# Altium PCB WallLightRemote_V1.0.PcbDoc (part 3 of 3) (continued)
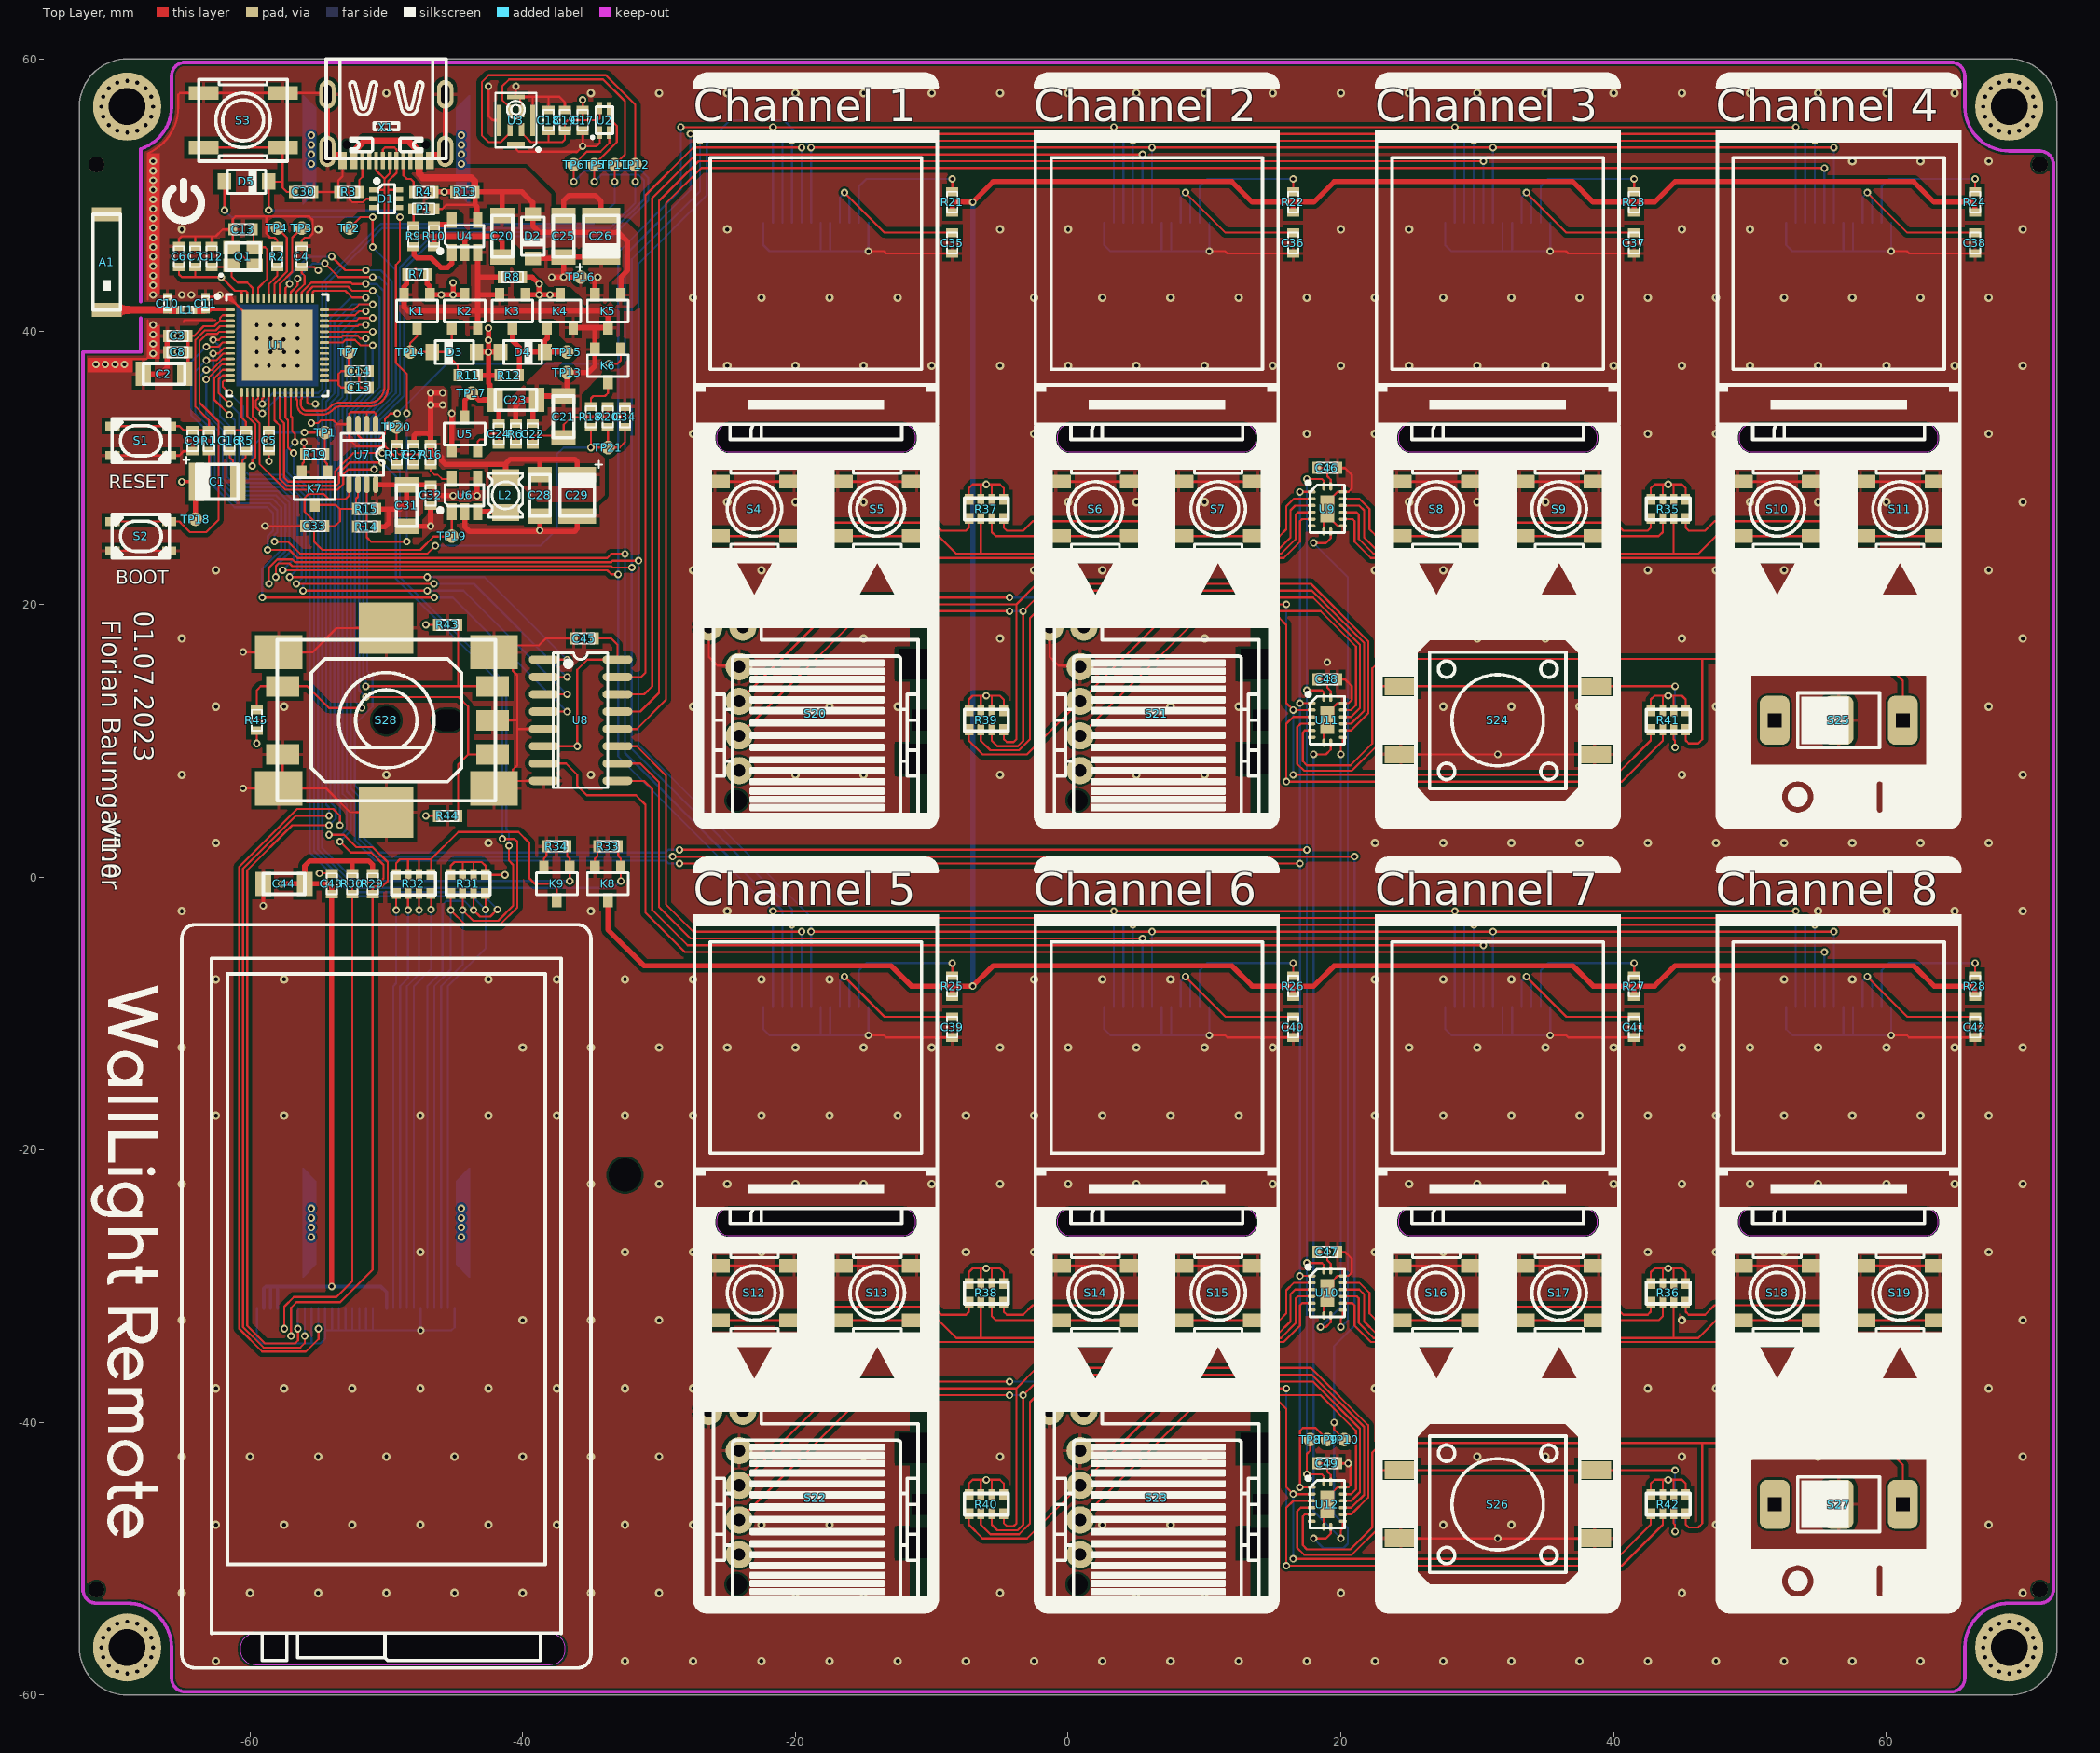
[diagram p0: Top Layer view]
## Nets (pads, with @x,y where several pads share a name; then routed paths per layer and width w, separated by ;. In a path a pad name is that pad's centre, name@x,y a point inside that pad or via, vN(x,y) a via of type N, cw(c..) or ccw(c..) an arc to the next point about the centre after c; other vN are vias at no path point) (continued)
NetU10_9: U10.9 U11.10 | length 45.3
  Top Layer w0.152: v2(18.5,-33) 18.9,-33 19.25,-32.65 U10.9@19.25,-32.15 ; v2(20,9) 20,9.6 20.15,9.75 U11.10@20.15,10.25
  Bottom Layer w0.152: v2(18.5,-33) 20,-31.5 v2(20,9)
NetU11_9: U11.9 U12.10 | length 61.5
  Top Layer w0.152: v2(18,9) 18.9,9 19.25,9.35 U11.9@19.25,9.85 ; v2(20,-48.5) 20,-47.9 20.15,-47.75 U12.10@20.15,-47.25
  Bottom Layer w0.152: v2(18,9) 18,-46.5 v2(20,-48.5)
PWR_OFF: K7.G R19.2 TP1.1 U1.16 | length 15.9
  Top Layer w0.152: U1.16@-60.2,35.55 -60.2,33.8 -59.6,33.2 -59.6,30.8 -59.825,30.575 v2(-59.825,30.15) ; v2(-56,32.6) TP1.1@-54.5,32.6 -54.5,31.012 R19.2@-54.488,31 R19.2@-54.5,30.988 ; R19.2@-54.5,30.938 -54.5,30.45 -54.339,30.289 -54.339,29.739 K7.G@-54.3,29.7
  Bottom Layer w0.152: v2(-59.825,30.15) -59.825,31.575 -58.8,32.6 v2(-56,32.6)
PWR_SW: D5.A TP2.1 U1.17 | length 50.9
  Top Layer w0.152: v2(-61.865,48.9) D5.A@-61.865,50.995 ; U1.17@-59.8,35.55 -59.8,33.8 -59.3,33.3 -59.3,30.3 -57.4,28.4 -53.575,28.4 -53.165,28.81 -53.165,29.535 -52.8,29.9 v2(-50.9,29.9) ; TP2.1@-52.7,47.6 -51.9,48.4 v2(-51,48.4) -51,47.6 v2(-51,46.2)
  Bottom Layer w0.152: v2(-61.865,48.9) -61.365,48.4 v2(-51,48.4) ; v2(-51,46.2) -49.3,44.5 -49.3,35.5 -51.1,33.7 -51.1,30.6 -50.9,30.4 v2(-50.9,29.9)
TCH_I\N\T\: P10.29 R31.4 U1.24 | length 81
  Top Layer w0.152: U1.24@-57,35.55 -57,33.8 -56.9,33.7 -56.9,32.7 -56.7,32.5 v2(-56.7,31.9) ; v2(-42.725,-2.399) R31.4@-42.725,-1.2
  Bottom Layer w0.152: v2(-56.7,31.9) -57.3,31.3 -57.3,29.7 -55.6,28 -55.6,1.8 -52.4,-1.4 -43.724,-1.4 v2(-42.725,-2.399) -42.725,-5.24 -45.485,-8 -45.485,-31.6
TCH_R\S\T\: P10.26 R31.3 U1.23 | length 85.8
  Top Layer w0.152: U1.23@-57.4,35.55 -57.4,33.7 -57.2,33.5 -57.2,31.5 v2(-56.8,31.1) ; R31.3@-43.6,-1.2 v2(-43.6,-2.427) -43.127,-2.9 -42.38,-2.9 v2(-41.85,-2.37)
  Bottom Layer w0.152: v2(-56.8,31.1) -56.8,29.6 -55.3,28.1 -55.3,1.924 -52.276,-1.1 -43.12,-1.1 v2(-41.85,-2.37) ; -46.985,-31.6 -46.985,-8 -45.875,-6.89 -45.875,-2.025 -45.6,-1.75 -44.277,-1.75 v2(-43.6,-2.427)
TCH_SCL: P10.27 R31.1 TP5.1 U1.21 U2.3 | length 136.7
  Top Layer w0.152: U1.21@-58.2,35.55 -58.2,33.5 -57.8,33.1 -57.8,29.2 -57.3,28.7 -53.675,28.7 -53.465,28.91 -53.465,29.635 -52.7,30.4 v2(-50.3,30.4) ; R31.1@-45.275,-1.2 v2(-45.275,-2.433) -44.208,-3.5 -41.676,-3.5 -40.4,-2.224 -40.4,2.6 -40.6,2.8 v2(-41.5,2.8) ; TP5.1@-35.007,51.993 TP5.1@-34.75,52.25 ; v2(-34.75,51) TP5.1@-34.75,52.25 ; U2.3@-33.65,56.35 -33.65,55.55 -33.5,55.4 -33.4,55.4 -33.1,55.1 -33.1,53.9 TP5.1@-34.75,52.25
  Bottom Layer w0.152: -46.485,-31.6 -46.485,-8 -45.275,-6.79 v2(-45.275,-2.433) ; v2(-41.5,2.8) -41.5,14.076 -49.3,21.876 -49.3,29.4 v2(-50.3,30.4) -50.8,30.9 -50.8,33.6 -49,35.4 -49,44.7 -46.4,47.3 -33.5,47.3 -31.1,49.7 -31.1,51.1 -31.5,51.5 -34.25,51.5 v2(-34.75,51)
TCH_SDA: P10.28 R31.2 TP6.1 U1.22 U2.2 | length 134.9
  Top Layer w0.152: U1.22@-57.8,35.55 -57.8,33.6 -57.5,33.3 -57.5,29.3 -57.2,29 -53.839,29 -53.75,29.089 -53.75,29.75 -52.4,31.1 v2(-50.3,31.1) ; R31.2@-44.4,-1.2 v2(-44.4,-2.431) -43.631,-3.2 -41.8,-3.2 -40.7,-2.1 -40.7,0.9 -41,1.2 v2(-41,2.3) ; v2(-36.25,51) TP6.1@-36.25,52.25 -35.3,53.2 -34.3,53.2 -33.65,53.85 U2.2@-33.65,54.6
  Bottom Layer w0.152: -45.985,-31.6 -45.985,-8 -44.4,-6.415 v2(-44.4,-2.431) ; v2(-41,2.3) -41,3.3 -41.2,3.5 -41.2,14.2 -49,22 -49,29.8 v2(-50.3,31.1) -50.3,31.5 -50.5,31.7 -50.5,33.5 -48.7,35.3 -48.7,44.6 -46.3,47 -33.4,47 -30.8,49.6 -30.8,51.3 -31.3,51.8 -35.45,51.8 v2(-36.25,51)
USB_D_N: D1.6 U1.25 X1.A7 X1.B7 | length 29.4
  Top Layer w0.152: U1.25@-56.6,35.55 -56.6,35.11 ccw(c-56.515,35.11) -56.575,35.05 cw(c-56.685,34.94) -56.529,34.94 -56.529,34.662 ccw(c-55.738,34.662) -56.298,34.102 ccw(c-55.859,34.541) -55.859,33.921 -54.7,33.921 ccw(c-54.7,34.936) -53.982,34.218 -53.9,34.3 cw(c-53.367,33.767) -53.367,34.521 -51.224,34.521 ccw(c-51.224,35.824) -50.302,34.902 ccw(c-51.37,35.97) -49.86,35.97 -49.86,50.4 ; X1.A7@-50.25,52.55 -50.25,53.35 -50.1,53.5 -49.4,53.5 -49.25,53.35 X1.B7@-49.25,52.55 -49.25,51.65 -49.86,51.04 -49.86,50.4 ; D1.6@-49.05,50.4 -49.86,50.4
USB_D_P: D1.1 U1.26 X1.A6 X1.B6 | length 27.3
  Top Layer w0.152: U1.26@-56.2,35.55 -56.2,35.11 cw(c-56.285,35.11) -56.225,35.05 ccw(c-56.115,34.94) -56.271,34.94 -56.271,34.712 ccw(c-55.688,34.712) -56.1,34.3 ccw(c-55.859,34.541) -55.859,34.2 -54.7,34.2 ccw(c-54.7,34.936) -54.18,34.416 -54.098,34.498 cw(c-53.367,33.767) -53.367,34.8 -51.224,34.8 ccw(c-51.224,35.824) -50.5,35.1 ccw(c-51.37,35.97) -50.14,35.97 -50.14,50.375 ; D1.1@-50.95,50.4 -50.165,50.4 -50.14,50.375 ; X1.B6@-50.75,52.55 -50.75,51.823 -50.14,51.213 ; X1.A6@-49.75,52.55 -49.76,52.54 -49.76,51.592 -50.14,51.213 ; -50.14,50.375 -50.14,51.213
VBAT: C21.2 C22.2 C23.2 K1.S K2.S K3.S K4.S K5.D K6.S R6.2 R7.2 R8.2 TP13.1 U4.3 | length 44
  Top Layer w0.381: R7.2@-48.512,44.2 -48.512,44 R7.2@-48.5,43.988 ; R7.2@-48.5,44.2 R7.2@-48.5,43.988 ; K2.S@-43.3,40.3 -43.3,41.5 ; U4.3@-43.3,45.8 -43.3,44 ; K3.S@-41.7,42.7 -43.3,42.7 ; R8.2@-41.512,44 -43.3,44 ; R6.2@-40.5,33.262 -40.5,34.55 -40.05,35 C23.2@-38.976,35 ; C22.2@-39.25,33.262 -39.25,34.726 C23.2@-38.976,35 ; K4.S@-36.3,40.3 -34.7,40.3 ; K5.D@-33.75,40.3 -34.7,40.3 ; K5.D@-33.75,40.3 -33.75,41.15 -34.1,41.5 -43.3,41.5 ; R7.2@-48.5,43.988 -48.5,43.5 -48.7,43.3 K1.S@-48.7,42.7 -48.7,41.8 -48.4,41.5 -43.3,41.5 ; -43.3,41.5 -43.3,42.7 ; -43.3,42.7 -43.3,44 ; C23.2@-38.976,35 -38.702,35.274 C21.2@-37,35.274 -36.75,35.524 TP13.1@-36.75,37 -35.2,37 -34.7,37.5 K6.S@-34.7,38.7 -34.7,40.3
VBUS: C20.2 D2.A K5.G P1.A R13.2 U4.4 X1.A4B9 X1.B4A9 | length 37.6
  Top Layer w0.152: P1.A@-46.5,49 -45.9,49 -45.6,49.3 -43.5,49.3
  Top Layer w0.381: U4.4@-43.3,48.2 -43.348,48.248 -43.348,49.148 -43.5,49.3 -43.5,50.238 R13.2@-43.488,50.25 -41.5,50.25 ; C20.2@-41.5,48.524 -41.5,50.25 ; K5.G@-32.8,42.7 -32.8,44 -32.3,44.5 -32.3,46.6 -33,47.3 -38.8,47.3 -39.25,47.75 D2.A@-39.25,48.62 -39.268,48.638 -39.268,49.468 -40.05,50.25 -41.5,50.25
  Top Layer w0.508: X1.B4A9@-52.4,52.55 -52.4,53.2 -51.6,54 -48.4,54 -47.6,53.2 X1.A4B9@-47.6,52.55 -47.6,51.598 -47.302,51.3 -43.8,51.3 -43.531,51.031 -43.531,50.269 R13.2@-43.5,50.238
VIN: C25.2 C26.P C31.2 C32.2 D2.K K5.S R14.2 R15.2 TP16.1 U6.4 U7.8 | length 50
  Top Layer w0.381: U7.8@-50.775,28.8 -50.775,28.783 -50.766,28.774 C31.2@-48.5,28.774 ; R14.2@-50.688,25.7 -50.1,25.7 -49.8,26 -49.8,27 ; R15.2@-50.688,27 -49.8,27 ; U6.4@-43.3,29.2 -43.348,29.152 v2(-43.348,27.975) v2(-44.225,27.975) v2(-45.102,27.975) -46.282,27.975 -46.506,28.198 -46.506,28.635 -46.623,28.635 C32.2@-46.75,28.762 -46.762,28.774 C31.2@-48.5,28.774 ; D2.K@-39.032,45.162 D2.K@-39.25,45.38 -37.096,45.38 C25.2@-37,45.476 ; v2(-37.877,44) v2(-37,44) ; K5.S@-34.7,42.7 -34.7,43.7 -35,44 TP16.1@-35.75,44 v2(-37,44) ; C26.P@-34.25,45.476 C25.2@-37,45.476 ; -49.8,27 -49.2,27 -49,27 -48.5,27.5 C31.2@-48.5,28.774 ; v2(-37,44) C25.2@-37,45.476
  Mid-Layer 1 w0.381: v2(-45.102,27.975) v2(-44.225,27.975) v2(-43.348,27.975) -39.625,27.975 -36.5,31.1 -36.5,43.5 v2(-37,44) v2(-37.877,44)
  other v2: -34.5,44
pads on no net: A1.NC D1.3 D1.4 D1.5 P10.19 P10.NC S20.1 S20.NC S21.1 S21.NC S22.1 S22.NC S23.1 S23.NC S25.1 S27.1 S28.NC U1.28 U1.30 U1.31 U1.32 U1.33 U1.34 U1.35 U1.52 U9.7 U10.7 U11.7 U12.7 X1.A8 X1.B8 X1.NC X2.NC
copper on no net:
  other v1: -69,-58.4 69,-58.4 -69.727,-58.255 -68.273,-58.255 68.273,-58.255 69.727,-58.255 -70.344,-57.843 -67.656,-57.843 67.656,-57.843 70.344,-57.843 -70.755,-57.227 -67.245,-57.227 67.245,-57.227 70.755,-57.227 -70.9,-56.5 -67.1,-56.5 67.1,-56.5 70.9,-56.5 -70.755,-55.773 -67.245,-55.773 67.245,-55.773 70.755,-55.773 -70.343,-55.156 -67.656,-55.156 67.656,-55.156 70.343,-55.156 -69.727,-54.745 -68.273,-54.745 68.273,-54.745 69.727,-54.745 -69,-54.6 69,-54.6 -69,54.6 69,54.6 -69.727,54.745 -68.273,54.745 68.273,54.745 69.727,54.745 -70.343,55.156 -67.656,55.156 67.656,55.156 70.343,55.156 -70.755,55.773 -67.245,55.773 67.245,55.773 70.755,55.773 -70.9,56.5 -67.1,56.5 67.1,56.5 70.9,56.5 -70.755,57.227 -67.245,57.227 67.245,57.227 70.755,57.227 -70.344,57.843 -67.656,57.843 67.656,57.843 70.344,57.843 -69.727,58.255 -68.273,58.255 68.273,58.255 69.727,58.255 -69,58.4 69,58.4

## Polygon pours and split planes (outlines as drawn)
GND on Top Layer "NONET_L-01_P-001" (solid, remove dead copper, pour order 16): 69,60 cw(c69,56.5) 72.5,56.5 72.5,-56.5 cw(c69,-56.5) 69,-60 -69,-60 cw(c-69,-56.5) -72.5,-56.5 -72.5,56.5 cw(c-69,56.5) -69,60
VBAT on Top Layer "NONET_L-01_P-001" (solid, remove dead copper, pour order 7): -49,44.9 -49.1,44.8 -49.1,41.5 -48.5,40.9 -44.4,40.9 -44.2,40.7 -44.2,39.8 -44,39.6 -42.8,39.6 -42.4,40 -42.4,40.7 -42.2,40.9 -37.6,40.9 -37.3,40.6 -37.3,39.7 -36.8,39.2 -36.4,39.2 -36,38.8 -36,38.1 -36.3,37.8 -38.2,37.8 -41.1,34.9 -41.1,32.8 -41,32.7 -38.4,32.7 -37.1,34 -35.9,34 -35.7,34.2 -35.7,35.4 -34.2,36.9 -34.2,37.8 -33.5,38.5 -33.5,39.1 -32.9,39.7 -32.9,41.511 -33.589,42.2 -40.3,42.2 -40.7,42.6 -40.7,44.6 -41,44.9 -42.4,44.9 -42.5,45 -42.5,46.6 -42.7,46.8 -43.6,46.8 -43.8,46.6 -43.8,42.2 -44,42 -47.2,42 -47.7,42.5 -47.7,44.6 -48,44.9
VBUS on Top Layer "NONET_L-01_P-001" (solid, remove dead copper, pour order 6): -33.5,42 -33.3,41.8 -31.9,41.8 -31.6,42.1 -31.6,47.3 -32.3,48 -37.8,48 -37.9,48.1 -37.9,50.1 -39.8,52 -48.1,52 -48.2,51.9 -48.2,51.6 -47.3,50.7 -47.3,48.6 -47.1,48.4 -46,48.4 -45.8,48.6 -45.8,48.8 -45.6,49 -44.7,49 -44.3,48.6 -44.3,47.7 -44,47.4 -41.5,47.4 -40.2,46.1 -32.9,46.1 -32.8,46 -32.8,44.5 -33.5,43.8
VIN on Top Layer "NONET_L-01_P-001" (solid, remove dead copper, pour order 4): -32.8,46 -32.8,44.5 -33.7,43.6 -33.7,42.3 -34.2,41.8 -35.3,41.8 -35.6,42.1 -35.6,42.4 -36.5,43.3 -38.1,43.3 -39.4,44.6 -39.9,44.6 -40.2,44.9 -40.2,46
VIN on Top Layer "NONET_L-01_P-001" (solid, remove dead copper, pour order 3): -51,25.1 -49.7,25.1 -49.4,25.4 -49.4,26.4 -47.6,26.4 -47.3,26.7 -47.3,27.5 -47.2,27.6 -46.3,27.6 -46.2,27.5 -43,27.5 -42.7,27.8 -42.7,29.7 -42.9,29.9 -44.698,29.9 -44.7,29.898 -44.7,28.6 -44.8,28.5 -45.5,28.5 -45.7,28.7 -45.7,28.975 -46.525,29.8 -50.8,29.8 -51.1,29.5 -51.1,25.2
3V3 on Top Layer "NONET_L-01_P-001" (solid, remove dead copper, pour order 2): -48.6,31.4 -48.6,35.3 -47.9,36 -45.8,36 -45.5,35.7 -45.5,31 -45.2,30.7 -42.8,30.7 -42.3,31.2 -34.5,31.2 -34,30.7 -34,28 -34.5,27.5 -38.9,27.5 -40,28.6 -42.6,28.6 -42.7,28.7 -42.7,29.7 -42.9,29.9 -45.9,29.9 -47.1,31.1 -48.3,31.1
GND on Top Layer "NONET_L-01_P-001" (solid, pour order 0): -61.375,42.275 -61.375,43.5 -67.5,43.5 -67.5,42.275 -66.55,42.275
GND on Top Layer "NONET_L-01_P-001" (solid, remove dead copper, pour order 1): -61.75,40.915 -61.75,39.69 -67.5,39.69 -67.5,40.915 -66.55,40.915
no net on Top Overlay "NONET_L-01_P-001" (solid): -27.5,-53 ccw(c-26.5,-53) -26.5,-54 -10.5,-54 ccw(c-10.5,-53) -9.5,-53 -9.5,-24.4 ccw(c-9.6,-24.4) -9.6,-24.3 -27.4,-24.3 ccw(c-27.4,-24.4) -27.5,-24.4
no net on Top Overlay "NONET_L-01_P-001" (solid): -27.5,-2.75 -27.5,-3.5 -9.5,-3.5 -9.5,-2.75
no net on Top Overlay "NONET_L-01_P-001" (solid): -27.48,0.3 cw(c-26.5,0.5) -26.5,1.5 -10.5,1.5 cw(c-10.5,0.5) -9.52,0.3
no net on Top Overlay "NONET_L-01_P-001" (solid): -2.48,0.3 cw(c-1.5,0.5) -1.5,1.5 14.5,1.5 cw(c14.5,0.5) 15.48,0.3
no net on Top Overlay "NONET_L-01_P-001" (solid): -2.5,-2.75 -2.5,-3.5 15.5,-3.5 15.5,-2.75
no net on Top Overlay "NONET_L-01_P-001" (solid): -2.5,-53 ccw(c-1.5,-53) -1.5,-54 14.5,-54 ccw(c14.5,-53) 15.5,-53 15.5,-24.4 ccw(c15.4,-24.4) 15.4,-24.3 -2.4,-24.3 ccw(c-2.4,-24.4) -2.5,-24.4
no net on Top Overlay "NONET_L-01_P-001" (solid): 22.52,0.3 cw(c23.5,0.5) 23.5,1.5 39.5,1.5 cw(c39.5,0.5) 40.48,0.3
no net on Top Overlay "NONET_L-01_P-001" (solid): 22.5,-2.75 22.5,-3.5 40.5,-3.5 40.5,-2.75
no net on Top Overlay "NONET_L-01_P-001" (solid): 47.52,0.3 cw(c48.5,0.5) 48.5,1.5 64.5,1.5 cw(c64.5,0.5) 65.48,0.3
no net on Top Overlay "NONET_L-01_P-001" (solid): 47.5,-2.75 47.5,-3.5 65.5,-3.5 65.5,-2.75
no net on Top Overlay "NONET_L-01_P-001" (solid): 22.5,-53 ccw(c23.5,-53) 23.5,-54 39.5,-54 ccw(c39.5,-53) 40.5,-53 40.5,-24.4 ccw(c40.4,-24.4) 40.4,-24.3 22.6,-24.3 ccw(c22.6,-24.4) 22.5,-24.4
no net on Top Overlay "NONET_L-01_P-001" (solid): 47.5,-53 ccw(c48.5,-53) 48.5,-54 64.5,-54 ccw(c64.5,-53) 65.5,-53 65.5,-24.4 ccw(c65.4,-24.4) 65.4,-24.3 47.6,-24.3 ccw(c47.6,-24.4) 47.5,-24.4
no net on Top Overlay "NONET_L-01_P-001" (solid): 47.5,4.5 ccw(c48.5,4.5) 48.5,3.5 64.5,3.5 ccw(c64.5,4.5) 65.5,4.5 65.5,33.1 ccw(c65.4,33.1) 65.4,33.2 47.6,33.2 ccw(c47.6,33.1) 47.5,33.1
no net on Top Overlay "NONET_L-01_P-001" (solid): 22.5,4.5 ccw(c23.5,4.5) 23.5,3.5 39.5,3.5 ccw(c39.5,4.5) 40.5,4.5 40.5,33.1 ccw(c40.4,33.1) 40.4,33.2 22.6,33.2 ccw(c22.6,33.1) 22.5,33.1
no net on Top Overlay "NONET_L-01_P-001" (solid): 47.5,54.75 47.5,54 65.5,54 65.5,54.75
no net on Top Overlay "NONET_L-01_P-001" (solid): 47.52,57.8 cw(c48.5,58) 48.5,59 64.5,59 cw(c64.5,58) 65.48,57.8
no net on Top Overlay "NONET_L-01_P-001" (solid): 22.5,54.75 22.5,54 40.5,54 40.5,54.75
no net on Top Overlay "NONET_L-01_P-001" (solid): 22.52,57.8 cw(c23.5,58) 23.5,59 39.5,59 cw(c39.5,58) 40.48,57.8
no net on Top Overlay "NONET_L-01_P-001" (solid): -2.5,4.5 ccw(c-1.5,4.5) -1.5,3.5 14.5,3.5 ccw(c14.5,4.5) 15.5,4.5 15.5,33.1 ccw(c15.4,33.1) 15.4,33.2 -2.4,33.2 ccw(c-2.4,33.1) -2.5,33.1
no net on Top Overlay "NONET_L-01_P-001" (solid): -2.5,54.75 -2.5,54 15.5,54 15.5,54.75
no net on Top Overlay "NONET_L-01_P-001" (solid): -2.48,57.8 cw(c-1.5,58) -1.5,59 14.5,59 cw(c14.5,58) 15.48,57.8
no net on Top Overlay "NONET_L-01_P-001" (solid): -27.48,57.8 cw(c-26.5,58) -26.5,59 -10.5,59 cw(c-10.5,58) -9.52,57.8
no net on Top Overlay "NONET_L-01_P-001" (solid): -27.5,54.75 -27.5,54 -9.5,54 -9.5,54.75
no net on Top Overlay "NONET_L-01_P-001" (solid): -27.5,4.5 ccw(c-26.5,4.5) -26.5,3.5 -10.5,3.5 ccw(c-10.5,4.5) -9.5,4.5 -9.5,33.1 ccw(c-9.6,33.1) -9.6,33.2 -27.4,33.2 ccw(c-27.4,33.1) -27.5,33.1
3V3 on Mid-Layer 1 "NONET_L-01_P-001" (solid, remove dead copper, pour order 24): -72.5,56.5 cw(c-69,56.5) -69,60 69,60 cw(c69,56.5) 72.5,56.5 72.5,-56.5 cw(c69,-56.5) 69,-60 -69,-60 cw(c-69,-56.5) -72.5,-56.5
no net on Mid-Layer 1 "NONET_L-01_P-001" (solid, remove dead copper, pour order 23): -38.75,44.5 -37,42.75 -37,32 -40.5,28.5 -45.25,28.5 -46,27.75 -46,26.5 -45.5,26 -39.5,26 -34,31.5 -34,44 -34.5,44.5
NetC23_1 on Mid-Layer 1 "NONET_L-01_P-001" (solid, remove dead copper, pour order 22): -40.5,38.25 -40.5,33.9 -42.65,31.75 -44.8,31.75 -44.8,33.7 -43.5,35 -43.5,38.25
NetC23_1 on Mid-Layer 1 "NONET_L-01_P-001" (solid, remove dead copper, pour order 21): -44,34 -43.25,33.25 -43.25,31.75 -46.5,31.75 -54.2,24.05 -54.2,-26.95 -54.75,-27.5 -56.5,-27.5 -57,-27 -57,25.25 -48.25,34
NetK3_G on Mid-Layer 1 "NONET_L-01_P-001" (solid, remove dead copper, pour order 20): -39.5,44.5 -40.1,43.9 -40.1,33.5 -42.35,31.25 -46.5,31.25 -53.8,23.95 -53.8,-18.7 -45,-27.5 -43.75,-27.5 -43.25,-27 -43.25,-24.5 -51,-16.75 -51,23.25 -45.25,29 -40.8,29 -37.5,32.3 -37.5,36.75 -37.5,42.9 -39.1,44.5
NetC23_1 on Mid-Layer 1 "NONET_L-01_P-001" (solid, remove dead copper, pour order 19): -49.8,55.5 -49.05,56.25 -41.25,56.25 -40.5,55.5 -40.5,38.25 -41,37.75 -43,37.75 -43.5,38.25 -43.5,43.7 -44.3,44.5 -46.3,44.5 -49.8,48
NetK1_G on Mid-Layer 1 "NONET_L-01_P-001" (solid, remove dead copper, pour order 18): -56.25,56.25 -57,55.5 -57,49.25 -49,41.25 -44.5,41.25 -43.9,41.85 -43.9,43.4 -44.5,44 -46.5,44 -50.2,47.7 -50.2,55.5 -50.95,56.25 -55.5,56.25
GND on Mid-Layer 2 "NONET_L-01_P-001" (solid, remove dead copper, pour order 15): 69,60 cw(c69,56.5) 72.5,56.5 72.5,-56.5 cw(c69,-56.5) 69,-60 -69,-60 cw(c-69,-56.5) -72.5,-56.5 -72.5,56.5 cw(c-69,56.5) -69,60
GND on Bottom Layer "NONET_L-01_P-001" (solid, remove dead copper, pour order 17): 69,60 cw(c69,56.5) 72.5,56.5 72.5,-56.5 cw(c69,-56.5) 69,-60 -69,-60 cw(c-69,-56.5) -72.5,-56.5 -72.5,56.5 cw(c-69,56.5) -69,60

## Keep-outs
Keep-Out Layer:
  lines w0.254: -68,41 -68,38.5 -72.25,38.5 -72.25,-52.25 ccw(c-71.25,-52.25) -71.25,-53.25 -69,-53.25 cw(c-69,-56.5) -65.75,-56.5 ; -68,42.2 -68,53.4 ; -67.996,53.409 ccw(c-69,56.5) -65.75,56.5 -65.75,58.75 cw(c-64.75,58.75) -64.75,59.75 64.75,59.75 cw(c64.75,58.75) 65.75,58.75 65.75,56.5 ccw(c69,56.5) 69,53.25 71.25,53.25 cw(c71.25,52.25) 72.25,52.25 72.25,-52.25 cw(c71.25,-52.25) 71.25,-53.25 69,-53.25 ccw(c69,-56.5) 65.75,-56.5 65.75,-58.75 cw(c64.75,-58.75) 64.75,-59.75 -64.75,-59.75 cw(c-64.75,-58.75) -65.75,-58.75 -65.75,-56.5

## Other copper
Top Layer:
  region net GND: -71.9,38 -71.9,37.011 -68.6,37.011 -68.6,38
  rectangle net GND: -67.575,42.7 -66.595,53.063
  rectangle net GND: -67.575,38 -66.6,40.5
  region net GND: -61.229,42.114 -61.122,42.212 -61.441,42.563 -61.548,42.466
  region net GND: -61.15,42.05 -61.085,42.163 -61.946,42.657 -62.011,42.544
  region net GND: -61.123,42.023 -61.009,42.088 -61.375,42.726 -61.489,42.66
Mid-Layer 1:
  pour cut-out: -65.5,56.403 cw(c-68.903,56.403) -66.497,53.997 -66.497,38.003 -67.5,37 -72.5,37 -72.5,56.729 cw(c-69.229,56.729) -69.229,60 -65.5,60
  pour cut-out: -66.5,43.5 -62,43.5 -61,42.5 -61,41 -62,40 -66.5,40
Mid-Layer 2:
  pour cut-out: -67.715,42.2 -67.715,41 -68.285,41 -68.285,42.2
Bottom Layer:
  rectangle net GND: -61,36 -55,42
  pour cut-out: -67.715,42.2 -67.715,41 -68.285,41 -68.285,42.2
  region net NetC23_1: -56.05,-29.35 -56.125,-29.35 -56.125,-21.35 -56.05,-21.35 -55.125,-22.275 -55.125,-28.425
  region net NetK3_G: -43.95,-29.35 -43.875,-29.35 -43.875,-21.35 -43.95,-21.35 -44.875,-22.275 -44.875,-28.425
  region net NetC23_1: -43.95,49.35 -43.875,49.35 -43.875,57.35 -43.95,57.35 -44.875,56.425 -44.875,50.275
  region net NetK1_G: -56.05,49.35 -56.125,49.35 -56.125,57.35 -56.05,57.35 -55.125,56.425 -55.125,50.275

## Silkscreen, mask and mechanical layers (free items; w line width, h text height)
Top Overlay:
  drawing of 73 lines, arcs and shapes, not listed
  text "Channel 1" at -27.5,54.644 h4
  text "Channel 2" at -2.5,54.644 h4
  text "Channel 3" at 22.5,54.643 h4
  text "Channel 4" at 47.5,54.644 h4
  text "RESET" at -70.333,28.5 h1
  text "BOOT" at -69.833,21.5 h1
  text "01.07.2023        /  Florian Baumgartner" at -71.33,19.5 h2.4 r270
  text "V1.0" at -71.33,4.2 h2.4 r270
  text "Channel 5" at -27.5,-2.856 h4
  text "Channel 6" at -2.5,-2.856 h4
  text "Channel 8" at 47.5,-2.856 h4
  text "Channel 7" at 22.5,-2.857 h4
Bottom Overlay:
  drawing of 16 lines, arcs and shapes, not listed
  text "Florian Baumgartner /  01.07.2023        V1.0" at 5,52.52 h2.4
Mechanical 1:
  the board outline again, w0.254
Mechanical 4:
  circle w0.254: c69,-56.5 r1.35
  circle w0.254: c-69,-56.5 r1.35
  circle w0.254: c69,56.5 r1.35
  circle w0.254: c-69,56.5 r1.35
Mechanical 15:
  lines w0.127: -148.58,-54.99 -143.5,-54.99 ; -148.58,-6.73 -143.5,-6.73 ; -148.58,41.53 -143.5,41.53 ; -143.5,-90.55 -29.2,-90.55 ; -143.5,-82.93 -29.2,-82.93 ; -120.64,-98.17 -120.64,-82.93 ; -75.555,-103.25 -75.555,-98.17 ; -75.555,84.71 -75.555,89.79 ; -67.3,-98.17 -67.3,-82.93 -67.3,-67.69 ; -67.3,-75.31 -29.2,-75.31 ; -2.53,-103.25 -2.53,-98.17 ; -2.53,84.71 -2.53,89.79 ; 6.36,-98.17 -29.2,-98.17 ; 70.495,-103.25 70.495,-98.17 ; 70.495,84.71 70.495,89.79 ; 128.52,-55.25 133.6,-55.25 ; 128.52,-6.25 133.6,-6.25 ; 128.52,41.75 133.6,41.75 ; -143.5,-98.17 128.52,-98.25 128.52,84.75 -143.5,84.71 -143.5,-98.17 ; -143.5,-98.17 -29.2,-98.17 ; -143.5,-98.17 -143.5,-67.69 -67.3,-67.69 ; -67.3,-67.69 -29.2,-67.69 -29.2,-98.17 ; -148.58,-103.25 133.52,-103.25 133.52,89.75 -148.58,89.79 -148.58,-103.25
  text "4" at -111.42,86.361 h1.78
  text "3" at -38.522,86.361 h1.78
  text "2" at 34.63,86.361 h1.78
  text "1" at 107.274,86.361 h1.78
  text "A" at 132.52,63.75 h1.78
  text "A" at -145.405,63.349 h1.78
  text "B" at 131.52,15.75 h1.78
  text "B" at -145.405,15.292 h1.78
  text "C" at -145.405,-33.222 h1.78
  text "C" at 131.52,-33.25 h1.78
  text "TITLE:" at -68.57,-70.23 h1.14
  text "ENGINEER:" at -30.47,-70.23 h1.14
  text "Florian Baumgartner" at -31.966,-74.073 h1.78
  text "PCB DESIGNER:" at -30.47,-77.723 h1.14
  text "WallLight Remote" at -69.191,-78.315 h4
  text "D" at -145.405,-81.228 h1.78
  text "D" at 131.52,-81.25 h1.78
  text "Florian Baumgartner" at -31.966,-81.693 h1.78
  text "REV:" at -121.91,-85.47 h1.14
  text "PART NO.:" at -68.57,-85.47 h1.14
  text "DATE:" at -30.47,-85.47 h1.14
  text "11.06.2023" at -31.74,-88.518 h1.78
  text "V1.1" at -122.771,-89.313 h1.78
  text "1/1" at -68.796,-89.313 h1.78
  text "SCALE:" at -121.91,-93.09 h1.14
  text "DWG NO:" at -68.57,-93.09 h1.14
  text "FILE NAME:" at -30.47,-93.09 h1.14
  text "WallLightRemote_V1.0.PcbDoc" at -31.966,-96.298 h1.45
  text "1:1" at -122.771,-96.933 h1.78
  text "1/1" at -68.796,-96.933 h1.78
  text "4" at -111.42,-101.599 h1.78
  text "3" at -38.522,-101.599 h1.78
  text "2" at 34.63,-101.599 h1.78
  text "1" at 107.274,-101.599 h1.78
Mechanical 16:
  lines w0.127: -148.58,-55.25 -143.5,-55.25 ; -148.58,-6.25 -143.5,-6.25 ; -148.58,41.75 -143.5,41.75 ; -85.475,-103.25 -85.475,-98.17 ; -85.475,84.71 -85.475,89.79 ; -21.34,-98.17 14.22,-98.17 ; -12.45,-103.25 -12.45,-98.17 ; -12.45,84.71 -12.45,89.79 ; 14.22,-90.55 128.52,-90.55 ; 14.22,-82.93 128.52,-82.93 ; 14.22,-75.31 52.32,-75.31 ; 52.32,-98.17 52.32,-82.93 52.32,-67.69 ; 60.575,-103.25 60.575,-98.17 ; 60.575,84.71 60.575,89.79 ; 105.66,-98.17 105.66,-82.93 ; 128.52,-54.99 133.6,-54.99 ; 128.52,-6.73 133.6,-6.73 ; 128.52,41.53 133.6,41.53 ; 14.22,-98.17 14.22,-67.69 52.32,-67.69 ; 14.22,-98.17 128.52,-98.17 ; 52.32,-67.69 128.52,-67.69 128.52,-98.17 ; 128.52,-98.17 128.52,84.71 -143.5,84.75 -143.5,-98.25 128.52,-98.17 ; -148.5,-103.25 -148.5,89.75 133.6,89.79 133.6,-103.25 -148.5,-103.25
  text "1" at -122.254,86.361 h1.78
  text "2" at -49.61,86.361 h1.78
  text "3" at 23.542,86.361 h1.78
  text "4" at 96.44,86.361 h1.78
  text "A" at -147.5,63.75 h1.78
  text "A" at 130.425,63.349 h1.78
  text "B" at -146.5,15.75 h1.78
  text "B" at 130.425,15.292 h1.78
  text "C" at 130.425,-33.222 h1.78
  text "C" at -146.5,-33.25 h1.78
  text "ENGINEER:" at 15.49,-70.23 h1.14
  text "TITLE:" at 53.59,-70.23 h1.14
  text "Florian Baumgartner" at 16.534,-74.073 h1.78
  text "PCB DESIGNER:" at 15.49,-77.723 h1.14
  text "WallLight Remote" at 53.999,-78.315 h4
  text "D" at 130.425,-81.228 h1.78
  text "D" at -146.5,-81.25 h1.78
  text "Florian Baumgartner" at 16.534,-81.693 h1.78
  text "DATE:" at 15.49,-85.47 h1.14
  text "PART NO.:" at 53.59,-85.47 h1.14
  text "REV:" at 106.93,-85.47 h1.14
  text "11.06.2023" at 16.76,-88.518 h1.78
  text "1/1" at 53.364,-89.313 h1.78
  text "V1.1" at 106.704,-89.313 h1.78
  text "FILE NAME:" at 15.49,-93.09 h1.14
  text "DWG NO:" at 53.59,-93.09 h1.14
  text "SCALE:" at 106.93,-93.09 h1.14
  text "WallLightRemote_V1.0.PcbDoc" at 16.534,-96.298 h1.45
  text "1/1" at 53.364,-96.933 h1.78
  text "1:1" at 106.704,-96.933 h1.78
  text "1" at -122.254,-101.599 h1.78
  text "2" at -49.61,-101.599 h1.78
  text "3" at 23.542,-101.599 h1.78
  text "4" at 96.44,-101.599 h1.78

## Text inside footprints (layer, text, board x,y; h text height)
P2: Bottom Overlay "1" at -14.75,43.35 h0.81 r180; Bottom Overlay "12" at -22.75,43.35 h0.81 r180
P3: Bottom Overlay "12" at 2.25,43.35 h0.81 r180; Bottom Overlay "1" at 10.25,43.35 h0.81 r180
P4: Bottom Overlay "1" at 35.25,43.35 h0.81 r180; Bottom Overlay "12" at 27.25,43.35 h0.81 r180
P5: Bottom Overlay "12" at 52.25,43.35 h0.81 r180; Bottom Overlay "1" at 60.25,43.35 h0.81 r180
P6: Bottom Overlay "1" at -14.75,-14.15 h0.81 r180; Bottom Overlay "12" at -22.75,-14.15 h0.81 r180
P7: Bottom Overlay "12" at 2.25,-14.15 h0.81 r180; Bottom Overlay "1" at 10.25,-14.15 h0.81 r180
P8: Bottom Overlay "1" at 35.25,-14.15 h0.81 r180; Bottom Overlay "12" at 27.25,-14.15 h0.81 r180
P9: Bottom Overlay "12" at 52.25,-14.15 h0.81 r180; Bottom Overlay "1" at 60.25,-14.15 h0.81 r180
X2: Bottom Overlay "Li-Ion 18650" at -56.55,27 h5 r90; Bottom Overlay "Li-Ion 18650" at -37.45,27 h5 r90